# Altium PCB jetson-orin-baseboard.PcbDoc (part 2 of 4) (continued)
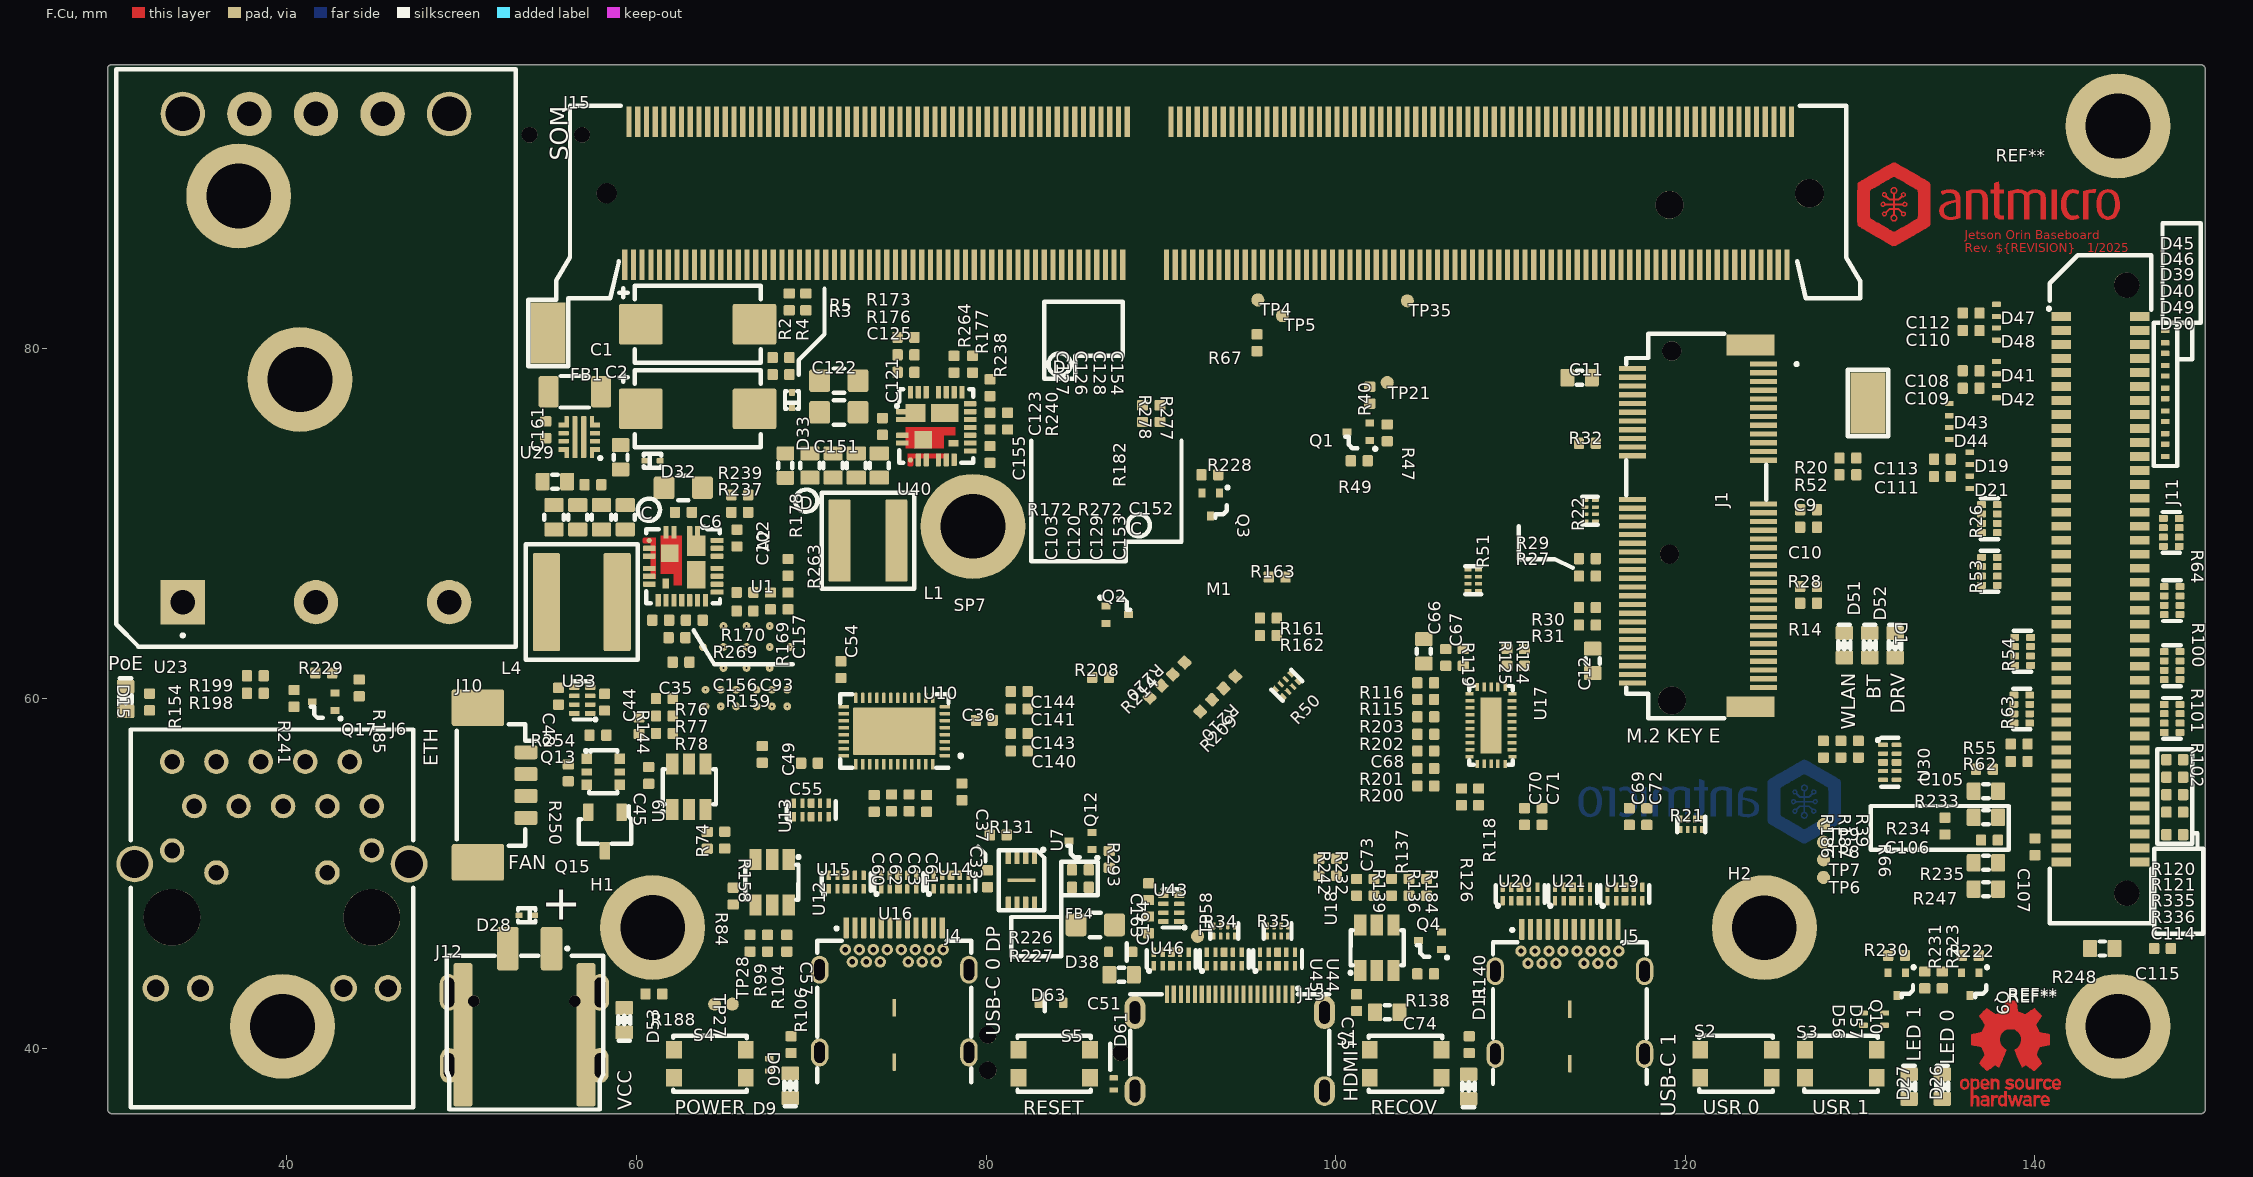
[diagram p0: F.Cu view]
## Footprints (in the part's own frame and the unit in brackets; to place one, negate y for a bottom-side part, rotate by r counter-clockwise, add the part's x,y. Pads: shape width x height; smd on the part's side, far side on the other; paste and mask are expansions set on the pad) (continued)
  round 1.45 hole 1.45 paste-2539.97 mask+0: Un1(-17.4,1.499) Un2(17.399,1.499)
  silkscreen extent -19.1,-3 19.1,2.9, body extent -19,-2.99 19,3, height 5.54
Conv_Murata_ULS-60W [mm]
  rect 2.54x2.54 hole 1.4 paste-2539.97 mask+0: 1(0,0)
  round 2.54 hole 1.4 paste-2539.97 mask+0: 2(0,-7.62) 3(0,-15.24) 5(27.94,-11.43) 6(27.94,-7.62) 7(27.94,-3.81)
  round 2.54 hole 1.956 paste-2539.97 mask+0: 4(27.94,-15.24) 8(27.94,0)
  silkscreen extent -2.53,-19.05 30.49,3.81
D_SOD-123F [mm]
  rrect25% 1.2x1.2 smd mask+0: 1(1.401,0) 2(-1.398,0)
  silkscreen extent 0.65,-0.6 0.65,0.6
DFN3538 [mm]
  rrect25% 0.48x1.4 smd mask+0: 1(1.27,-1.85) 2(-1.27,-1.85) 3(1.27,1.85) 4(-1.27,1.85)
  silkscreen extent -1.8,-2.45 1.8,2.05
DFN-6-1EP_2x2mm_P0.65mm_EP1x1.6mm [mm]
  rect 0.65x0.35 smd mask+0: 1(1.051,-0.652) 2(1.051,0) 3(1.051,0.65) 4(-1.05,0.65) 5(-1.05,0) 6(-1.05,-0.652)
  rect 1x1.6 smd paste-1.6 mask+0: 7(0,0)
  rect 0.82x0.63 on Bottom Paste mask-0.82: Un1(0,0.4) Un2(0,-0.402)
  silkscreen extent -1.07,-1.1 1.38,1.11
FB_0805_2012Metric#1 [mm]
  rrect25% 1.2x1.3 smd mask+0: 1(1.1,0) 2(-1.1,0)
  silkscreen extent -0.3,-0.7 0.32,0.7
FB_0805_2012Metric#2 [mm]
  rrect25% 1.2x1.3 smd mask+0: 1(-1.1,0) 2(1.1,0)
  silkscreen extent -0.32,-0.7 0.3,0.7
FB_1206_3216Metric [mm]
  rrect25% 1.15x1.8 smd mask+0: 1(-1.5,-0.001) 2(1.5,-0.001)
  silkscreen extent -0.8,-0.9 0.8,0.9
HDMI-Mini-C_Receptacle_WE_685119136923 [mm]
  rect 0.23x1 smd mask+0: 1(3.6,3.4) 2(3.2,3.4) 3(2.798,3.4) 4(2.398,3.4) 5(1.999,3.4) 6(1.6,3.4) 7(1.199,3.4) 8(0.8,3.4) 9(0.4,3.4) 10(0,3.4) 11(-0.402,3.4) 12(-0.802,3.4) 13(-1.2,3.4) 14(-1.601,3.4) 15(-2,3.4) 16(-2.4,3.4) 17(-2.801,3.4) 18(-3.202,3.4) 19(-3.601,3.4)
  rrect100% 1.2x1.7 hole 1.3 slot 0.6 at 0 deg paste-2539.97 mask+0: SH(-5.425,-2.15) SH(5.424,-2.15)
  rrect100% 1.2x1.9 hole 1.3 slot 0.6 at 0 deg paste-2539.97 mask+0: SH(-5.425,2.35) SH(5.424,2.35)
  silkscreen extent -5.7,-1.2 5.7,3.78
IC_TPS65987DDHRSHR [mm]
  rrect9% 0.8x0.65 smd paste-0.8 mask-0.8: 1(3.351,-2.4) 3(3.351,-1.601) 11(3.351,1.6) 13(3.351,2.398)
  rrect25% 0.7x0.2 smd mask+0: 5(3.351,-1) 6(3.351,-0.6) 7(3.351,-0.202) 8(3.351,0.2) 9(3.351,0.598) 10(3.351,0.998) 29(-3.35,2.6) 30(-3.35,2.2) 31(-3.35,1.8) 32(-3.35,1.398) 33(-3.35,0.998) 34(-3.35,0.598) 35(-3.35,0.2) 36(-3.35,-0.202) 37(-3.35,-0.6) 38(-3.35,-1) 39(-3.35,-1.401) 40(-3.35,-1.801) 41(-3.35,-2.202) 42(-3.35,-2.601)
  rrect25% 0.2x0.7 smd mask+0: 15(2.601,3.35) 16(2.202,3.35) 17(1.801,3.35) 18(1.401,3.35) 19(1,3.35) 20(0.6,3.35) 21(0.202,3.35) 22(-0.2,3.35) 23(-0.598,3.35) 24(-0.998,3.35) 25(-1.398,3.35) 26(-1.8,3.35) 27(-2.2,3.35) 28(-2.6,3.35) 43(-2.6,-3.351) 44(-2.2,-3.351) 45(-1.8,-3.351) 46(-1.398,-3.351) 47(-0.998,-3.351) 48(-0.598,-3.351) 49(-0.2,-3.351) 50(0.202,-3.351) 51(0.6,-3.351) 52(1,-3.351) 53(1.401,-3.351) 54(1.801,-3.351) 55(2.202,-3.351) 56(2.601,-3.351)
  round 0.45 hole 0.1 paste-2539.97 mask-0.45: 57(1.401,-2.327) 57(1.401,-1.45) 57(1.401,-0.577) 57(2.351,-2.327) 57(2.351,-1.45) 57(2.351,-0.576) 58(1.401,0.598) 58(1.401,1.475) 58(1.401,2.349) 58(2.351,0.598) 58(2.351,1.475) 58(2.351,2.35) 59(-2.248,-1.327) 59(-2.248,-0.001) 59(-2.248,1.322) 59(-1.05,0) 59(-1.048,-2.504) 59(-1.048,-1.327) 59(-1.048,1.322) 59(-1.048,2.496) 59(0.15,-1.321) 59(0.15,0) 59(0.152,1.322)
  rrect6% 1.75x2.6 smd paste-2.6 mask+0.05: 57(1.875,-1.45)
  rrect6% 1.75x2.55 smd paste-2.55 mask+0.05: 58(1.875,1.475)
  rrect3% 3.4x5.5 smd paste-5.5 mask+0.05: 59(-1.05,0)
  silkscreen extent -3.5,-3.5 4.37,3.5, body extent -3.5,-3.5 3.5,3.5, height 1
L_Bourns-SRP5030CA [mm]
  rrect10% 1.25x4.7 smd mask+0: 1(-1.625,0) 2(1.625,0)
  silkscreen extent -2.65,-2.75 2.65,2.75
L_Bourns-SRP6050CA [mm]
  rrect10% 1.55x5.6 smd mask+0: 1(-2.025,0) 2(2.025,0)
  silkscreen extent -3.2,-3.3 3.2,3.3
LED_0603_1608Metric_G#1 [mm]
  rrect20% 0.8x1 smd mask+0: 1(-0.7,0) 2(0.7,0)
  silkscreen extent -1.18,-0.35 0.24,0.35
LED_0603_1608Metric_G#2 [mm]
  rrect20% 0.8x1 smd mask+0: 1(0.7,0) 2(-0.7,0)
  silkscreen extent -0.24,-0.35 1.18,0.35
Mech_M2_2242_H2.5mm [mm]
Mech_M2_2280_H2.5mm [mm]
MLP44-24L_4x4x0.75mm [mm]
  rrect25% 0.725x0.3 smd mask+0: 1(-1.94,0.825) 2(-1.94,0.375) 3(-1.94,-0.525) 4(-1.94,-0.975) 11(1.94,-1.425) 12(1.94,-0.975) 13(1.94,-0.525) 14(1.94,-0.075) 15(1.94,0.375) 16(1.94,0.825) 17(1.94,1.275)
  round 0.3 smd mask+0: 5(-1.475,-1.94)
  rrect25% 0.3x0.725 smd mask+0: 6(-1.025,-1.94) 7(-0.575,-1.94) 8(0.125,-1.94) 9(0.575,-1.94) 10(1.025,-1.935) 18(1.475,1.94) 19(1.025,1.94) 20(0.575,1.94) 21(0.125,1.94) 22(-0.575,1.94) 23(-1.025,1.94) 24(-1.475,1.94)
  rect 1.575x1.05 smd mask+0: 25(0.49,0.75)
  rect 1.15x1.05 smd mask+0: 26(-1.175,0.75)
  rect 1x1 smd mask+0: 27(-0.75,-0.775)
  rect 0.58x0.38 smd mask+0: 28(0.985,-0.99)
  F.Cu region: 1.075,-0.53 0.425,-0.53 0.425,-1.275 -1.75,-1.275 -1.75,-0.075 1.075,-0.075
  F.Cu region: 0.725,-1.853 -1.625,-1.853 -1.625,-1.578 0.725,-1.578
  F.Cu region: -1.371,-1.583 -1.347,-1.599 -1.331,-1.624 -1.325,-1.653 -1.325,-2.228 -1.331,-2.256 -1.347,-2.281 -1.371,-2.297 -1.4,-2.303 -1.55,-2.303 -1.579,-2.297 -1.603,-2.281 -1.619,-2.256 -1.625,-2.228 -1.625,-1.653 -1.619,-1.624 -1.603,-1.599 -1.579,-1.583 -1.55,-1.578 -1.4,-1.578
  silkscreen extent -2.3,-2.11 2.11,2.11
MODULE_JETSON-ORIN-NX-NANO [mm]
  body extent -34.8,-22.5 34.8,22.5, height 12.88
MS621FE-FL11E [mm]
  rect 0.75x1.8 smd mask+0: 1(0.75,-4.05) 2(-0.75,-4.05)
  silkscreen extent -3.59,-2.15 3.59,4.83
Oscillator_SMD_ECS_2520MV_2.5x2mm [mm]
  rrect25% 0.8x0.9 smd mask+0: 1(0.725,-0.927) 2(0.725,0.925) 3(-0.723,0.925) 4(-0.723,-0.927)
  silkscreen extent -1.11,-1.56 1.16,1.36
OSHW-Logo_5.7x6mm_Copper [mm]
  F.Cu region: 1.799,-1.458 1.842,-1.471 1.87,-1.487 1.879,-1.501 1.877,-1.516 1.86,-1.541 1.847,-1.558 1.818,-1.59 1.797,-1.603 1.779,-1.602 1.726,-1.589 1.686,-1.589 1.654,-1.605 1.643,-1.614 1.609,-1.646 1.609,-2.062 1.471,-2.062 1.471,-1.458 1.54,-1.458 1.581,-1.46 1.603,-1.466 1.609,-1.477 1.612,-1.489 1.625,-1.488 1.644,-1.479 1.682,-1.463 1.712,-1.453 1.752,-1.451
  F.Cu region: 1.683,-2.411 1.711,-2.425 1.74,-2.448 1.698,-2.5 1.673,-2.532 1.656,-2.547 1.639,-2.549 1.614,-2.542 1.602,-2.537 1.554,-2.531 1.51,-2.545 1.478,-2.575 1.472,-2.585 1.467,-2.611 1.462,-2.658 1.459,-2.724 1.458,-2.805 1.458,-2.817 1.458,-3.017 1.32,-3.017 1.32,-2.401 1.389,-2.401 1.429,-2.402 1.45,-2.407 1.457,-2.417 1.458,-2.427 1.458,-2.453 1.491,-2.427 1.529,-2.409 1.58,-2.401 1.635,-2.401
  F.Cu region: -0.994,-2.403 -0.975,-2.408 -0.969,-2.421 -0.969,-2.426 -0.968,-2.442 -0.96,-2.444 -0.94,-2.433 -0.928,-2.426 -0.89,-2.411 -0.845,-2.403 -0.797,-2.402 -0.752,-2.408 -0.716,-2.419 -0.693,-2.436 -0.688,-2.456 -0.691,-2.461 -0.708,-2.484 -0.733,-2.512 -0.738,-2.517 -0.763,-2.538 -0.784,-2.544 -0.814,-2.54 -0.826,-2.536 -0.863,-2.529 -0.889,-2.532 -0.911,-2.544 -0.932,-2.56 -0.947,-2.58 -0.957,-2.608 -0.964,-2.648 -0.967,-2.703 -0.969,-2.778 -0.969,-2.823 -0.969,-3.017 -1.094,-3.017 -1.094,-2.401 -1.032,-2.401
  F.Cu region: 1.358,-2.062 1.288,-2.062 1.247,-2.06 1.225,-2.054 1.219,-2.043 1.216,-2.033 1.201,-2.035 1.172,-2.049 1.106,-2.071 1.035,-2.069 0.968,-2.046 0.936,-2.027 0.911,-2.007 0.893,-1.981 0.881,-1.947 0.873,-1.901 0.869,-1.839 0.867,-1.757 0.867,-1.694 0.867,-1.458 0.993,-1.458 0.993,-1.654 0.994,-1.746 0.998,-1.816 1.007,-1.867 1.021,-1.901 1.042,-1.922 1.071,-1.933 1.106,-1.935 1.143,-1.932 1.171,-1.921 1.192,-1.9 1.206,-1.865 1.214,-1.813 1.218,-1.742 1.219,-1.654 1.219,-1.458 1.358,-1.458
  F.Cu region: -0.755,-1.469 -0.723,-1.483 -0.693,-1.505 -0.67,-1.53 -0.653,-1.562 -0.642,-1.604 -0.634,-1.66 -0.631,-1.734 -0.63,-1.829 -0.629,-1.838 -0.629,-2.062 -0.768,-2.062 -0.768,-1.856 -0.768,-1.78 -0.768,-1.724 -0.77,-1.686 -0.774,-1.66 -0.78,-1.643 -0.788,-1.63 -0.801,-1.617 -0.844,-1.589 -0.89,-1.584 -0.935,-1.602 -0.95,-1.615 -0.962,-1.627 -0.97,-1.64 -0.975,-1.658 -0.979,-1.685 -0.981,-1.726 -0.981,-1.783 -0.981,-1.854 -0.981,-2.062 -1.12,-2.062 -1.12,-1.458 -1.05,-1.458 -1.009,-1.46 -0.988,-1.466 -0.981,-1.477 -0.978,-1.488 -0.966,-1.487 -0.94,-1.475 -0.883,-1.457 -0.818,-1.455
  F.Cu region: 2.217,-1.463 2.29,-1.494 2.313,-1.509 2.342,-1.533 2.36,-1.551 2.363,-1.557 2.354,-1.57 2.331,-1.592 2.313,-1.608 2.262,-1.648 2.222,-1.615 2.191,-1.593 2.161,-1.586 2.127,-1.587 2.072,-1.601 2.034,-1.629 2.011,-1.675 2.001,-1.741 2.002,-1.814 2.016,-1.868 2.044,-1.905 2.063,-1.918 2.113,-1.933 2.167,-1.933 2.214,-1.918 2.225,-1.911 2.253,-1.892 2.275,-1.889 2.298,-1.903 2.324,-1.928 2.365,-1.97 2.32,-2.008 2.249,-2.05 2.17,-2.071 2.087,-2.07 2.032,-2.056 1.968,-2.022 1.918,-1.968 1.894,-1.93 1.876,-1.875 1.866,-1.806 1.866,-1.731 1.875,-1.659 1.894,-1.599 1.897,-1.592 1.939,-1.532 1.997,-1.488 2.066,-1.461 2.141,-1.453
  F.Cu region: 0.61,-1.466 0.674,-1.5 0.724,-1.555 0.747,-1.599 0.757,-1.639 0.764,-1.695 0.766,-1.759 0.765,-1.824 0.76,-1.881 0.754,-1.911 0.734,-1.953 0.698,-1.997 0.655,-2.036 0.613,-2.061 0.612,-2.061 0.559,-2.072 0.497,-2.072 0.437,-2.062 0.415,-2.054 0.356,-2.021 0.313,-1.977 0.286,-1.919 0.27,-1.843 0.267,-1.803 0.267,-1.753 0.268,-1.697 0.285,-1.61 0.319,-1.542 0.369,-1.493 0.435,-1.463 0.449,-1.46 0.535,-1.452 hole: 0.521,-1.585 0.475,-1.595 0.439,-1.621 0.42,-1.641 0.409,-1.662 0.404,-1.69 0.402,-1.732 0.402,-1.753 0.406,-1.826 0.419,-1.882 0.44,-1.917 0.455,-1.928 0.493,-1.935 0.538,-1.933 0.577,-1.922 0.587,-1.917 0.614,-1.884 0.632,-1.834 0.64,-1.773 0.636,-1.708 0.628,-1.669 0.604,-1.623 0.566,-1.595
  F.Cu region: 0.281,-2.404 0.331,-2.407 0.461,-2.797 0.481,-2.728 0.493,-2.685 0.51,-2.628 0.527,-2.564 0.536,-2.53 0.571,-2.401 0.714,-2.401 0.671,-2.536 0.65,-2.603 0.625,-2.683 0.598,-2.767 0.574,-2.841 0.52,-3.011 0.462,-3.015 0.404,-3.019 0.372,-2.914 0.353,-2.849 0.331,-2.778 0.313,-2.715 0.312,-2.712 0.298,-2.669 0.286,-2.64 0.277,-2.629 0.276,-2.631 0.269,-2.648 0.258,-2.684 0.242,-2.736 0.223,-2.798 0.213,-2.832 0.159,-3.017 0.043,-3.017 -0.05,-2.725 -0.076,-2.643 -0.099,-2.568 -0.12,-2.505 -0.135,-2.456 -0.145,-2.425 -0.148,-2.416 -0.146,-2.407 -0.127,-2.403 -0.088,-2.403 -0.082,-2.404 -0.008,-2.407 0.039,-2.584 0.057,-2.648 0.073,-2.704 0.085,-2.748 0.093,-2.774 0.095,-2.778 0.101,-2.773 0.113,-2.748 0.129,-2.705 0.15,-2.649 0.167,-2.599 0.231,-2.4
  F.Cu region: -2.539,-1.465 -2.473,-1.494 -2.423,-1.542 -2.389,-1.61 -2.37,-1.698 -2.369,-1.712 -2.368,-1.808 -2.381,-1.893 -2.409,-1.962 -2.423,-1.984 -2.474,-2.031 -2.538,-2.061 -2.61,-2.073 -2.684,-2.067 -2.74,-2.047 -2.788,-2.014 -2.827,-1.971 -2.828,-1.97 -2.844,-1.943 -2.854,-1.916 -2.86,-1.882 -2.864,-1.834 -2.865,-1.794 -2.866,-1.759 -2.867,-1.716 -2.864,-1.658 -2.857,-1.614 -2.843,-1.579 -2.822,-1.548 -2.815,-1.539 -2.766,-1.494 -2.715,-1.467 -2.651,-1.456 -2.62,-1.455 hole: -2.638,-1.587 -2.678,-1.602 -2.713,-1.634 -2.734,-1.686 -2.74,-1.759 -2.739,-1.794 -2.735,-1.842 -2.727,-1.872 -2.713,-1.894 -2.699,-1.906 -2.652,-1.933 -2.603,-1.936 -2.557,-1.917 -2.534,-1.896 -2.518,-1.874 -2.508,-1.854 -2.504,-1.827 -2.503,-1.787 -2.505,-1.75 -2.508,-1.697 -2.512,-1.663 -2.52,-1.641 -2.534,-1.624 -2.544,-1.614 -2.589,-1.589
  F.Cu region: -0.202,-3.017 -0.271,-3.017 -0.311,-3.016 -0.332,-3.011 -0.339,-3.001 -0.34,-2.994 -0.341,-2.979 -0.349,-2.976 -0.37,-2.985 -0.387,-2.994 -0.449,-3.013 -0.518,-3.014 -0.573,-3 -0.625,-2.964 -0.664,-2.912 -0.686,-2.851 -0.686,-2.848 -0.69,-2.81 -0.691,-2.756 -0.691,-2.716 -0.691,-2.695 -0.69,-2.662 -0.684,-2.58 -0.671,-2.519 -0.65,-2.474 -0.618,-2.44 -0.588,-2.421 -0.545,-2.407 -0.492,-2.402 -0.437,-2.406 -0.39,-2.418 -0.366,-2.432 -0.34,-2.455 -0.34,-2.162 -0.202,-2.162 hole: -0.464,-2.532 -0.505,-2.544 -0.535,-2.572 -0.538,-2.578 -0.547,-2.612 -0.553,-2.66 -0.554,-2.716 -0.551,-2.77 -0.543,-2.814 -0.534,-2.839 -0.496,-2.874 -0.452,-2.886 -0.407,-2.876 -0.368,-2.846 -0.354,-2.826 -0.345,-2.803 -0.341,-2.768 -0.34,-2.715 -0.342,-2.664 -0.346,-2.618 -0.353,-2.588 -0.354,-2.585 -0.381,-2.552 -0.42,-2.535
  F.Cu region: 2.677,-1.456 2.71,-1.464 2.771,-1.492 2.824,-1.536 2.861,-1.589 2.866,-1.6 2.873,-1.631 2.877,-1.677 2.879,-1.723 2.879,-1.81 2.621,-1.81 2.569,-1.812 2.535,-1.817 2.518,-1.825 2.514,-1.839 2.52,-1.86 2.532,-1.884 2.566,-1.924 2.612,-1.944 2.668,-1.943 2.733,-1.922 2.788,-1.895 2.834,-1.931 2.88,-1.967 2.837,-2.007 2.779,-2.045 2.708,-2.068 2.632,-2.074 2.558,-2.063 2.546,-2.059 2.481,-2.025 2.433,-1.974 2.4,-1.906 2.382,-1.818 2.382,-1.816 2.38,-1.719 2.387,-1.685 2.396,-1.635 2.428,-1.564 2.474,-1.508 2.532,-1.471 2.601,-1.452 hole: 2.657,-1.578 2.616,-1.579 2.574,-1.598 2.539,-1.628 2.517,-1.666 2.514,-1.685 2.526,-1.69 2.558,-1.694 2.605,-1.697 2.69,-1.697 2.725,-1.695 2.743,-1.692 2.749,-1.685 2.748,-1.673 2.746,-1.669 2.724,-1.627 2.689,-1.593
  F.Cu region: 0.014,-1.456 0.061,-1.465 0.111,-1.484 0.116,-1.486 0.153,-1.506 0.179,-1.524 0.188,-1.536 0.18,-1.555 0.16,-1.583 0.152,-1.594 0.116,-1.635 0.07,-1.608 0.027,-1.59 -0.023,-1.581 -0.072,-1.58 -0.109,-1.589 -0.118,-1.595 -0.135,-1.621 -0.137,-1.65 -0.124,-1.674 -0.117,-1.678 -0.094,-1.684 -0.054,-1.69 -0.005,-1.697 0.004,-1.698 0.082,-1.711 0.14,-1.734 0.178,-1.769 0.199,-1.818 0.205,-1.877 0.196,-1.945 0.167,-1.998 0.117,-2.036 0.046,-2.061 -0.032,-2.07 -0.096,-2.07 -0.147,-2.061 -0.183,-2.049 -0.227,-2.028 -0.269,-2.004 -0.283,-1.993 -0.321,-1.963 -0.276,-1.917 -0.23,-1.871 -0.178,-1.905 -0.127,-1.93 -0.071,-1.944 -0.018,-1.945 0.028,-1.935 0.06,-1.913 0.07,-1.894 0.068,-1.865 0.043,-1.842 -0.007,-1.826 -0.061,-1.819 -0.145,-1.805 -0.207,-1.779 -0.249,-1.74 -0.271,-1.687 -0.274,-1.625 -0.259,-1.559 -0.225,-1.51 -0.172,-1.476 -0.099,-1.458 -0.046,-1.454
  F.Cu region: 2.032,-2.404 2.092,-2.42 2.143,-2.452 2.167,-2.476 2.207,-2.533 2.23,-2.599 2.238,-2.681 2.238,-2.687 2.238,-2.753 1.858,-2.753 1.866,-2.788 1.88,-2.819 1.906,-2.852 1.911,-2.857 1.957,-2.885 2.01,-2.89 2.07,-2.871 2.081,-2.866 2.112,-2.851 2.133,-2.843 2.137,-2.842 2.149,-2.85 2.174,-2.869 2.186,-2.879 2.212,-2.903 2.22,-2.919 2.215,-2.933 2.211,-2.937 2.19,-2.954 2.155,-2.975 2.131,-2.988 2.062,-3.009 1.985,-3.016 1.912,-3.008 1.892,-3.002 1.829,-2.968 1.782,-2.917 1.752,-2.846 1.737,-2.756 1.735,-2.709 1.74,-2.641 1.742,-2.61 1.764,-2.53 1.8,-2.471 1.852,-2.43 1.919,-2.408 1.956,-2.403 hole: 1.99,-2.524 1.942,-2.534 1.9,-2.561 1.87,-2.599 1.86,-2.641 1.872,-2.646 1.903,-2.65 1.949,-2.652 1.98,-2.653 2.035,-2.652 2.071,-2.65 2.09,-2.646 2.098,-2.639 2.099,-2.628 2.089,-2.594 2.061,-2.56 2.026,-2.535
  F.Cu region: -1.357,-1.472 -1.345,-1.478 -1.301,-1.51 -1.26,-1.556 -1.23,-1.607 -1.221,-1.631 -1.213,-1.673 -1.208,-1.723 -1.208,-1.744 -1.208,-1.81 -1.588,-1.81 -1.579,-1.845 -1.56,-1.886 -1.525,-1.921 -1.483,-1.944 -1.457,-1.949 -1.421,-1.943 -1.379,-1.928 -1.364,-1.922 -1.311,-1.895 -1.265,-1.93 -1.239,-1.953 -1.225,-1.973 -1.224,-1.979 -1.236,-1.992 -1.264,-2.014 -1.289,-2.03 -1.356,-2.059 -1.432,-2.073 -1.506,-2.069 -1.566,-2.051 -1.627,-2.012 -1.671,-1.961 -1.698,-1.895 -1.711,-1.811 -1.712,-1.772 -1.708,-1.684 -1.707,-1.682 -1.693,-1.615 -1.667,-1.56 -1.634,-1.52 -1.575,-1.477 -1.505,-1.455 -1.43,-1.453 hole: -1.464,-1.579 -1.512,-1.59 -1.552,-1.622 -1.578,-1.667 -1.578,-1.669 -1.581,-1.682 -1.578,-1.69 -1.563,-1.695 -1.534,-1.697 -1.466,-1.697 -1.409,-1.696 -1.373,-1.694 -1.353,-1.689 -1.346,-1.681 -1.346,-1.678 -1.354,-1.658 -1.374,-1.629 -1.382,-1.619 -1.414,-1.591 -1.446,-1.58
  F.Cu region: 1.038,-2.405 1.091,-2.418 1.106,-2.425 1.136,-2.442 1.159,-2.463 1.176,-2.488 1.187,-2.524 1.195,-2.571 1.2,-2.635 1.203,-2.719 1.204,-2.775 1.209,-3.017 1.138,-3.017 1.096,-3.016 1.074,-3.009 1.068,-2.999 1.065,-2.988 1.052,-2.99 1.034,-2.999 0.988,-3.013 0.93,-3.016 0.868,-3.01 0.813,-2.995 0.808,-2.993 0.758,-2.958 0.725,-2.909 0.71,-2.852 0.711,-2.831 0.713,-2.792 0.736,-2.735 0.767,-2.696 0.786,-2.679 0.804,-2.668 0.828,-2.662 0.863,-2.658 0.916,-2.655 0.937,-2.655 1.068,-2.65 1.068,-2.611 1.063,-2.569 1.045,-2.544 1.008,-2.528 1.007,-2.527 0.954,-2.521 0.902,-2.529 0.864,-2.549 0.849,-2.559 0.832,-2.558 0.807,-2.543 0.792,-2.533 0.763,-2.512 0.744,-2.495 0.742,-2.491 0.754,-2.467 0.789,-2.438 0.804,-2.428 0.848,-2.411 0.908,-2.402 0.974,-2.4 hole: 1.068,-2.753 1.007,-2.753 0.936,-2.757 0.886,-2.768 0.854,-2.788 0.847,-2.797 0.835,-2.831 0.846,-2.859 0.878,-2.879 0.93,-2.889 0.958,-2.891 1.005,-2.887 1.036,-2.873 1.043,-2.866 1.064,-2.83 1.068,-2.797
  F.Cu region: -1.385,-2.406 -1.326,-2.422 -1.281,-2.45 -1.249,-2.488 -1.239,-2.504 -1.232,-2.521 -1.226,-2.542 -1.223,-2.572 -1.221,-2.615 -1.22,-2.674 -1.22,-2.753 -1.22,-2.774 -1.22,-3.017 -1.281,-3.017 -1.319,-3.015 -1.348,-3.008 -1.355,-3.004 -1.374,-2.996 -1.394,-3.004 -1.427,-3.013 -1.474,-3.016 -1.527,-3.015 -1.576,-3.008 -1.604,-3 -1.658,-2.965 -1.692,-2.916 -1.708,-2.851 -1.708,-2.85 -1.706,-2.821 -1.704,-2.779 -1.681,-2.723 -1.637,-2.681 -1.631,-2.677 -1.605,-2.665 -1.573,-2.657 -1.528,-2.654 -1.475,-2.653 -1.359,-2.653 -1.359,-2.604 -1.363,-2.566 -1.376,-2.541 -1.378,-2.539 -1.406,-2.528 -1.448,-2.524 -1.495,-2.526 -1.536,-2.534 -1.56,-2.546 -1.574,-2.556 -1.588,-2.558 -1.607,-2.55 -1.636,-2.53 -1.68,-2.497 -1.684,-2.493 -1.682,-2.482 -1.665,-2.462 -1.639,-2.441 -1.61,-2.423 -1.601,-2.418 -1.568,-2.41 -1.519,-2.404 -1.465,-2.401 -1.463,-2.401 hole: -1.359,-2.753 -1.428,-2.753 -1.494,-2.758 -1.544,-2.773 -1.575,-2.795 -1.585,-2.821 -1.574,-2.854 -1.557,-2.872 -1.522,-2.886 -1.476,-2.891 -1.429,-2.889 -1.392,-2.878 -1.382,-2.871 -1.363,-2.838 -1.359,-2.802
  F.Cu region: -1.909,-1.469 -1.883,-1.482 -1.85,-1.505 -1.826,-1.529 -1.81,-1.561 -1.8,-1.603 -1.794,-1.66 -1.792,-1.736 -1.792,-1.768 -1.793,-1.84 -1.794,-1.891 -1.797,-1.927 -1.802,-1.951 -1.81,-1.969 -1.818,-1.981 -1.871,-2.033 -1.932,-2.065 -1.999,-2.074 -2.066,-2.06 -2.087,-2.051 -2.138,-2.024 -2.138,-2.44 -2.101,-2.42 -2.052,-2.406 -1.992,-2.402 -1.932,-2.409 -1.887,-2.425 -1.849,-2.455 -1.817,-2.498 -1.815,-2.502 -1.804,-2.523 -1.797,-2.544 -1.792,-2.569 -1.789,-2.603 -1.787,-2.65 -1.786,-2.714 -1.786,-2.787 -1.786,-3.017 -1.924,-3.017 -1.924,-2.592 -1.963,-2.559 -2.003,-2.533 -2.041,-2.529 -2.08,-2.541 -2.1,-2.553 -2.115,-2.57 -2.126,-2.595 -2.133,-2.633 -2.138,-2.687 -2.14,-2.761 -2.141,-2.81 -2.144,-3.011 -2.21,-3.015 -2.276,-3.019 -2.276,-1.77 -2.276,-1.458 -2.207,-1.458 -2.166,-1.46 -2.144,-1.466 -2.138,-1.477 -2.135,-1.488 -2.123,-1.487 -2.097,-1.475 -2.038,-1.456 -1.972,-1.454 hole: -2.052,-1.585 -2.081,-1.592 -2.109,-1.616 -2.128,-1.663 -2.137,-1.733 -2.138,-1.77 -2.135,-1.84 -2.123,-1.888 -2.101,-1.918 -2.066,-1.933 -2.031,-1.936 -1.992,-1.933 -1.966,-1.919 -1.949,-1.901 -1.936,-1.882 -1.929,-1.861 -1.925,-1.831 -1.925,-1.787 -1.926,-1.749 -1.929,-1.693 -1.933,-1.656 -1.94,-1.633 -1.95,-1.617 -1.96,-1.608 -2.002,-1.588
  F.Cu region: 336 vertices and 0 holes, not listed, extent -2.24,-1.005 2.252,3.012
OSHW-Logo_5.7x6mm_Mask [mm]
PCM12SMTR [mm]
  rrect25% 0.7x1.5 smd mask+0: 1(2.25,-1.7) 2(-0.749,-1.7) 3(-2.248,-1.7)
  rrect25% 1x0.8 smd mask+0: S1(3.651,-0.915) S2(3.651,1.013) S3(-3.65,1.013) S4(-3.65,-0.915)
  round 0.9 hole 0.9 paste-2539.97 mask+0: Un1(1.502,0.049) Un2(-1.499,0.049)
  silkscreen extent -3.35,-2.53 3.35,1.35
QFN-16-1EP_4x4mm_P0.65mm [mm]
  rect 0.8x0.4 smd mask+0: 1(1.9,-0.975) 2(1.9,-0.325) 3(1.9,0.325) 4(1.9,0.975) 9(-1.9,0.975) 10(-1.9,0.325) 11(-1.9,-0.325) 12(-1.9,-0.975)
  rect 0.4x0.8 smd mask+0: 5(0.975,1.9) 6(0.325,1.9) 7(-0.325,1.9) 8(-0.975,1.9) 13(-0.975,-1.9) 14(-0.325,-1.9) 15(0.325,-1.9) 16(0.975,-1.9)
  rect 2.3x2.3 smd mask+0: 17(0,0)
  silkscreen extent -2.1,-2.1 2.4,2.1
R_0402_1005Metric#1 [mm]
  rrect25% 0.59x0.64 smd mask+0: 1(0.48,0) 2(-0.48,0)
R_0402_1005Metric#2 [mm]
  rrect25% 0.59x0.64 smd mask+0: 1(-0.48,0) 2(0.48,0)
R_0603_1608Metric#1 [mm]
  rrect20% 0.8x1 smd mask+0: 1(0.7,0) 2(-0.7,0)
  silkscreen extent -0.15,-0.4 0.15,0.4
R_0603_1608Metric#2 [mm]
  rrect20% 0.8x1 smd mask+0: 1(-0.7,0) 2(0.7,0)
  silkscreen extent -0.15,-0.4 0.15,0.4
R_Array_4x0201_Panasonic_EXB18V#1 [mm]
  rrect25% 0.2x0.4 smd mask+0: 1(-0.6,-0.298) 2(-0.202,-0.298) 3(0.2,-0.298) 4(0.598,-0.298) 5(0.598,0.3) 6(0.2,0.3) 7(-0.202,0.3) 8(-0.6,0.3)
  silkscreen extent -0.8,-0.45 0.8,0.45
R_Array_4x0201_Panasonic_EXB18V#2 [mm]
  rrect25% 0.2x0.4 smd mask+0: 1(0.6,0.298) 2(0.202,0.298) 3(-0.2,0.298) 4(-0.598,0.298) 5(-0.598,-0.3) 6(-0.2,-0.3) 7(0.202,-0.3) 8(0.6,-0.3)
  silkscreen extent -0.8,-0.45 0.8,0.45
R_Array_4x0402 [mm]
  rrect25% 0.4x0.5 smd mask+0: 1(-0.802,-0.45) 2(-0.272,-0.45) 3(0.27,-0.45) 4(0.8,-0.45) 5(0.8,0.452) 6(0.27,0.452) 7(-0.272,0.452) 8(-0.802,0.452)
  silkscreen extent -1.17,-0.5 1.17,0.5
RJ45_X-2337992-8_Horizontal [mil]
  round 55 hole 35 paste-99999 mask+0: 1(0,0) 2(49.96,-99.96) 3(99.96,0) 4(149.96,-99.96) 5(199.92,0) 6(249.96,-99.96) 7(299.92,0) 8(350,-99.96) 9(399.96,0) 10(449.96,-99.96) 11(0,-199.92) 12(99.96,-249.57) 13(350,-249.57) 14(449.96,-199.61)
  round 60 hole 40 paste-99999 mask+0: 15(-36.5,-510.16) 16(63.54,-510.16) 17(386.38,-510.16) 18(486.42,-510.16)
  round 82.68 hole 62.99 paste-99999 mask+0: 19(-84.09,-230.32)
  round 83 hole 63 paste-99999 mask+0: 20(533.98,-230.32)
  round 127.95 hole 127.95 paste-99999 mask+0: Un1(0,-350.39) Un2(449.96,-350.39)
  silkscreen extent -93,-778 543,73
SC-74-6_1.5x2.9mm_P0.95mm [mm]
  rrect15% 0.8x0.55 smd mask+0: 1(1.2,-0.95) 2(1.2,0) 3(1.2,0.95) 4(-1.2,0.95) 5(-1.2,0) 6(-1.2,-0.95)
  silkscreen extent 1.06,-1.51 1.16,-1.4
SOD-523#1 [mm]
  rrect25% 0.5x0.6 smd mask+0: 1(0.701,0) 2(-0.699,0)
  silkscreen extent 0.35,-0.5 0.35,0.5
SOD-523#2 [mm]
  rrect25% 0.5x0.6 smd mask+0: 1(-0.701,0) 2(0.699,0)
  silkscreen extent -0.35,-0.5 -0.35,0.5
SOD-923#1 [mm]
  rrect25% 0.4x0.325 smd mask+0: 1(0.438,0) 2(-0.436,0)
  silkscreen extent -0.5,-0.4 0.5,0.4
SOD-923#2 [mm]
  rrect25% 0.4x0.325 smd mask+0: 1(-0.438,0) 2(0.436,0)
  silkscreen extent -0.5,-0.4 0.5,0.4
SOIC-4_4.55x2.6mm_P1.27mm [mm]
  rrect15% 1.85x0.65 smd mask+0: 1(3.125,-0.635) 2(3.125,0.634) 3(-3.124,0.634) 4(-3.124,-0.635)
  silkscreen extent -2.3,-1.4 2.3,1.4
SOT-23-3#1 [mm]
  rrect15% 1x0.6 smd mask+0: 1(1.1,-0.951) 2(1.1,0.949) 3(-1.1,-0.001)
  silkscreen extent -0.7,-1.5 1.45,1.5
SOT-23-3#2 [mm]
  rrect15% 1x0.6 smd mask+0: 1(-1.1,0.951) 2(-1.1,-0.949) 3(1.1,0.001)
  silkscreen extent -1.45,-1.5 0.7,1.5
SOT-23-5 [mm]
  rect 1x0.55 smd mask+0: 1(1.351,-0.951) 2(1.351,0) 3(1.351,0.949) 4(-1.35,0.949) 5(-1.35,-0.951)
  silkscreen extent -0.8,-1.6 1.3,1.6
SOT-23-6 [mm]
  rrect15% 0.55x1 smd mask+0: 1(0.954,1.1) 2(0.003,1.1) 3(-0.947,1.1) 4(-0.947,-1.214) 5(0.003,-1.214) 6(0.954,-1.214)
  silkscreen extent -1.45,-0.76 1.45,0.64
SOT-363#1 [mm]
  rect 0.6x0.6 smd mask+0: 1(-0.948,0.752) 3(-0.948,-0.745) 4(0.951,-0.745) 6(0.951,0.752)
  rect 0.6x0.4 smd mask+0: 2(-0.948,0.002) 5(0.951,0.002)
  silkscreen extent -1.03,-1.22 0.8,1.25
SOT-363#2 [mm]
  rect 0.6x0.6 smd mask+0: 1(0.948,-0.752) 3(0.948,0.745) 4(-0.951,0.745) 6(-0.951,-0.752)
  rect 0.6x0.4 smd mask+0: 2(0.948,-0.002) 5(-0.951,-0.002)
  silkscreen extent -0.8,-1.25 1.03,1.22
SOT-523#1 [mm]
  rect 0.4x0.51 smd mask+0: 1(-0.5,-0.65) 2(0.498,-0.65) 3(0,0.652)
  silkscreen extent -1.02,-1.02 -0.28,0.75
SOT-523#2 [mm]
  rect 0.4x0.51 smd mask+0: 1(0.5,0.65) 2(-0.498,0.65) 3(0,-0.652)
  silkscreen extent 0.28,-0.75 1.02,1.02
Spacer_Drill3.7mm_H2.5mm_9774025151R#1 [mm]
  round 6 hole 3.7 paste-2539.97 mask+0: 1(0,0)
  round 0.62 on Top Paste mask-0.62: Un1(-1.7,1.7) Un2(-1.7,-1.7) Un3(1.7,1.7) Un4(1.7,-1.7)
Spacer_Drill3.7mm_H2.5mm_9774025151R#2 [mm]
  round 6 hole 3.7 paste-2539.97 mask+0: 1(0,0)
  round 0.62 on Bottom Paste mask-0.62: Un1(1.7,1.7) Un2(1.7,-1.7) Un3(-1.7,1.7) Un4(-1.7,-1.7)
Spacer_Drill3.7mm_H6.5mm_9774065151R#1 [mm]
  round 6 hole 3.7 paste-2539.97 mask+0: 1(0,0)
  round 0.62 on Top Paste mask-0.62: Un1(-1.7,1.7) Un2(-1.7,-1.7) Un3(1.7,1.7) Un4(1.7,-1.7)
Spacer_Drill3.7mm_H6.5mm_9774065151R#2 [mm]
  round 6 hole 3.7 paste-2539.97 mask+0: 1(0,0)
  round 0.62 on Bottom Paste mask-0.62: Un1(1.7,1.7) Un2(1.7,-1.7) Un3(-1.7,1.7) Un4(-1.7,-1.7)
SW_KMR211NGLFS_SMD [mm]
  rect 0.9x1 smd mask+0: 1(-2.048,0.8) 2(2.05,0.8) 3(-2.048,-0.802) 4(2.05,-0.802)
  silkscreen extent -2.1,-1.6 2.1,1.6
Tag-Connect_TC2050-IDC-NL_2x5_P1.27mm [mil]
  round 31 smd paste-31 mask+0: 1(100,24.96) 2(50,24.96) 3(0,24.96) 4(-49.96,24.96) 5(-99.96,24.96) 6(-99.96,-25) 7(-49.96,-25) 8(0,-25) 9(50,-25) 10(100,-25)
  round 39 hole 39 paste-99999 mask+0: Un1(150,0) Un2(-149.96,39.96) Un3(-149.96,-40)
  silkscreen extent -201,-81 200,81

## Text inside footprints (layer, text, board x,y; h text height)
R207: B.Fab "License: Apache-2.0" at 89.037,63.268 h0.7 r135; B.Fab "Author: Antmicro" at 88.248,62.479 h0.7 r135
R208: F.Fab "License: Apache-2.0" at 87.35,65.736 h0.7; F.Fab "Author: Antmicro" at 87.35,64.852 h0.7
R209: F.Fab "Author: Antmicro" at 95.125,55.499 h0.7 r45; F.Fab "License: Apache-2.0" at 95.915,54.709 h0.7 r45
R210: F.Fab "Author: Antmicro" at 91.385,65.011 h0.7 r225; F.Fab "License: Apache-2.0" at 90.595,65.801 h0.7 r225
R211: B.Fab "Author: Antmicro" at 97.586,67.3 h0.7 r90; B.Fab "License: Apache-2.0" at 98.702,67.3 h0.7 r90
R212: B.Fab "License: Apache-2.0" at 96.478,60.873 h0.7 r45; B.Fab "Author: Antmicro" at 95.689,61.662 h0.7 r45
R213: B.Fab "Author: Antmicro" at 86.611,65.838 h0.7 r225; B.Fab "License: Apache-2.0" at 85.822,66.627 h0.7 r225
R214: F.Fab "Author: Antmicro" at 92.235,56.309 h0.7 r45; F.Fab "License: Apache-2.0" at 93.025,55.519 h0.7 r45
R215: B.Fab "Author: Antmicro" at 82.314,51.6 h0.7 r270; B.Fab "License: Apache-2.0" at 81.198,51.6 h0.7 r270
R216: B.Fab "License: Apache-2.0" at 82.198,51.6 h0.7 r270; B.Fab "Author: Antmicro" at 83.314,51.6 h0.7 r270
R217: B.Fab "License: Apache-2.0" at 93.102,59.2 h0.7 r90; B.Fab "Author: Antmicro" at 91.986,59.2 h0.7 r90
R218: B.Fab "Author: Antmicro" at 87.4,52.114 h0.7; B.Fab "License: Apache-2.0" at 87.4,50.998 h0.7
R219: B.Fab "Author: Antmicro" at 93.686,53.2 h0.7 r90; B.Fab "License: Apache-2.0" at 94.802,53.2 h0.7 r90
R220: F.Fab "License: Apache-2.0" at 87.695,66.601 h0.7 r225; F.Fab "Author: Antmicro" at 88.485,65.811 h0.7 r225
R221: B.Fab "License: Apache-2.0" at 96.378,58.473 h0.7 r45; B.Fab "Author: Antmicro" at 95.589,59.262 h0.7 r45
R222: F.Fab "Author: Antmicro" at 135.2,40.614 h0.7; F.Fab "License: Apache-2.0" at 135.2,39.498 h0.7
R223: F.Fab "Author: Antmicro" at 139.386,42.8 h0.7 r90; F.Fab "License: Apache-2.0" at 140.502,42.8 h0.7 r90
R224: B.Fab "Author: Antmicro" at 86.511,63.438 h0.7 r225; B.Fab "License: Apache-2.0" at 85.722,64.227 h0.7 r225
R225: B.Fab "License: Apache-2.0" at 85.498,65.75 h0.7 r270; B.Fab "Author: Antmicro" at 86.614,65.75 h0.7 r270
R226: F.Fab "License: Apache-2.0" at 84.3,44.398 h0.7; F.Fab "Author: Antmicro" at 84.3,45.514 h0.7
R227: F.Fab "Author: Antmicro" at 84.3,44.514 h0.7; F.Fab "License: Apache-2.0" at 84.3,43.398 h0.7
R228: F.Fab "Author: Antmicro" at 91.7,68.114 h0.7; F.Fab "License: Apache-2.0" at 91.7,66.998 h0.7
R229: F.Fab "Author: Antmicro" at 42.915,65.111 h0.7; F.Fab "License: Apache-2.0" at 42.915,65.995 h0.7
R230: F.Fab "License: Apache-2.0" at 130.985,39.498 h0.7; F.Fab "Author: Antmicro" at 130.985,40.614 h0.7
R231: F.Fab "Author: Antmicro" at 138.386,42.8 h0.7 r90; F.Fab "License: Apache-2.0" at 139.502,42.8 h0.7 r90
R232: F.Fab "License: Apache-2.0" at 94.248,51.45 h0.7 r270; F.Fab "Author: Antmicro" at 95.364,51.45 h0.7 r270
R233: F.Fab "License: Apache-2.0" at 135.8,48.167 h0.7; F.Fab "Author: Antmicro" at 135.8,49.283 h0.7
R234: F.Fab "Author: Antmicro" at 135.8,47.783 h0.7; F.Fab "License: Apache-2.0" at 135.8,46.667 h0.7
R235: F.Fab "Author: Antmicro" at 130.165,54.983 h0.7; F.Fab "License: Apache-2.0" at 128.335,55.867 h0.7
R236: B.Fab "License: Apache-2.0" at 55.74,88.836 h0.7; B.Fab "Author: Antmicro" at 55.74,87.952 h0.7
R237: F.Fab "Author: Antmicro" at 64.81,65.964 h0.7; F.Fab "License: Apache-2.0" at 64.81,64.848 h0.7
R238: F.Fab "License: Apache-2.0" at 86.032,76.68 h0.7 r90; F.Fab "Author: Antmicro" at 84.916,76.68 h0.7 r90
R239: F.Fab "Author: Antmicro" at 64.81,66.964 h0.7; F.Fab "License: Apache-2.0" at 64.81,65.848 h0.7
R240: F.Fab "Author: Antmicro" at 77.578,68.535 h0.7 r90; F.Fab "License: Apache-2.0" at 76.694,66.705 h0.7 r90
R241: F.Fab "License: Apache-2.0" at 34.613,61.109 h0.7 r270; F.Fab "Author: Antmicro" at 35.729,61.109 h0.7 r270
R242: F.Fab "Author: Antmicro" at 94.364,51.45 h0.7 r270; F.Fab "License: Apache-2.0" at 93.248,51.45 h0.7 r270
R243: B.Fab "License: Apache-2.0" at 38.4,100.467 h0.7; B.Fab "Author: Antmicro" at 38.4,99.583 h0.7
R244: B.Fab "License: Apache-2.0" at 67.972,67.64 h0.7 r90; B.Fab "Author: Antmicro" at 66.856,67.64 h0.7 r90
R245: B.Fab "Author: Antmicro" at 113.2,55.214 h0.7; B.Fab "License: Apache-2.0" at 113.2,54.098 h0.7
R246: B.Fab "License: Apache-2.0" at 66.962,67.64 h0.7 r90; B.Fab "Author: Antmicro" at 65.846,67.64 h0.7 r90
R247: F.Fab "License: Apache-2.0" at 138.3,54.367 h0.7; F.Fab "Author: Antmicro" at 138.3,53.483 h0.7
R248: F.Fab "Author: Antmicro" at 142.45,40.283 h0.7; F.Fab "License: Apache-2.0" at 142.45,39.167 h0.7
R249: B.Fab "Author: Antmicro" at 58.24,93.752 h0.7; B.Fab "License: Apache-2.0" at 58.24,94.636 h0.7
R250: F.Fab "License: Apache-2.0" at 50.298,56.85 h0.7 r270; F.Fab "Author: Antmicro" at 51.414,56.85 h0.7 r270
R251: B.Fab "License: Apache-2.0" at 47.34,85.723 h0.7; B.Fab "Author: Antmicro" at 47.34,86.839 h0.7
R252: B.Fab "Author: Antmicro" at 69.067,56.2 h0.7 r90; B.Fab "License: Apache-2.0" at 70.183,56.2 h0.7 r90
R253: B.Fab "Author: Antmicro" at 72.7,48.183 h0.7; B.Fab "License: Apache-2.0" at 72.7,47.067 h0.7
R254: F.Fab "Author: Antmicro" at 56.7,53.214 h0.7; F.Fab "License: Apache-2.0" at 56.7,52.098 h0.7
R255: B.Fab "License: Apache-2.0" at 47.34,84.723 h0.7; B.Fab "Author: Antmicro" at 47.34,85.839 h0.7
R256: B.Fab "Author: Antmicro" at 57.8,88.702 h0.7; B.Fab "License: Apache-2.0" at 57.8,89.586 h0.7
R257: B.Fab "License: Apache-2.0" at 65.465,93.336 h0.7; B.Fab "Author: Antmicro" at 63.635,92.452 h0.7
R258: B.Fab "License: Apache-2.0" at 60.7,90.586 h0.7; B.Fab "Author: Antmicro" at 60.7,89.702 h0.7
R259: B.Fab "License: Apache-2.0" at 66.6,96.636 h0.7; B.Fab "Author: Antmicro" at 66.6,95.752 h0.7
R260: B.Fab "License: Apache-2.0" at 66.1,81.698 h0.7; B.Fab "Author: Antmicro" at 66.1,82.814 h0.7
R261: B.Fab "Author: Antmicro" at 67.614,88.5 h0.7 r270; B.Fab "License: Apache-2.0" at 66.498,88.5 h0.7 r270
R262: B.Fab "License: Apache-2.0" at 60.49,62.048 h0.7; B.Fab "Author: Antmicro" at 60.49,63.164 h0.7
R263: F.Fab "Author: Antmicro" at 73.356,66.4 h0.7 r90; F.Fab "License: Apache-2.0" at 74.472,66.4 h0.7 r90
R264: F.Fab "Author: Antmicro" at 74.518,71.785 h0.7 r90; F.Fab "License: Apache-2.0" at 73.634,69.955 h0.7 r90
R265: B.Fab "License: Apache-2.0" at 108.7,64.136 h0.7; B.Fab "Author: Antmicro" at 108.7,63.252 h0.7
R266: B.Fab "Author: Antmicro" at 107.8,64.252 h0.7; B.Fab "License: Apache-2.0" at 107.8,65.136 h0.7
R267: B.Fab "Author: Antmicro" at 50.78,43.364 h0.7; B.Fab "License: Apache-2.0" at 50.78,42.248 h0.7
R268: B.Fab "License: Apache-2.0" at 54.114,87.395 h0.7 r90; B.Fab "Author: Antmicro" at 54.998,85.565 h0.7 r90
R269: F.Fab "License: Apache-2.0" at 65.11,59.208 h0.7; F.Fab "Author: Antmicro" at 65.11,60.324 h0.7
R270: B.Fab "Author: Antmicro" at 48.35,39.664 h0.7; B.Fab "License: Apache-2.0" at 48.35,38.548 h0.7
R271: B.Fab "Author: Antmicro" at 52.485,48.727 h0.7; B.Fab "License: Apache-2.0" at 54.315,49.611 h0.7
R272: F.Fab "Author: Antmicro" at 56.41,67.544 h0.7; F.Fab "License: Apache-2.0" at 56.41,66.428 h0.7
R273: B.Fab "License: Apache-2.0" at 72,79.067 h0.7; B.Fab "Author: Antmicro" at 72,80.183 h0.7
R274: B.Fab "License: Apache-2.0" at 59.032,87.19 h0.7 r90; B.Fab "Author: Antmicro" at 57.916,87.19 h0.7 r90
R275: B.Fab "Author: Antmicro" at 50.648,93.745 h0.7 r90; B.Fab "License: Apache-2.0" at 49.764,95.575 h0.7 r90
R276: B.Fab "License: Apache-2.0" at 61.4,87.567 h0.7; B.Fab "Author: Antmicro" at 61.4,86.683 h0.7
R277: F.Fab "Author: Antmicro" at 85.264,77.4 h0.7 r270; F.Fab "License: Apache-2.0" at 84.148,77.4 h0.7 r270
R278: F.Fab "License: Apache-2.0" at 83.148,77.4 h0.7 r270; F.Fab "Author: Antmicro" at 84.264,77.4 h0.7 r270
R279: B.Fab "License: Apache-2.0" at 95.702,49.7 h0.7 r90; B.Fab "Author: Antmicro" at 94.586,49.7 h0.7 r90
R280: B.Fab "License: Apache-2.0" at 97.102,49.7 h0.7 r90; B.Fab "Author: Antmicro" at 95.986,49.7 h0.7 r90
R281: B.Fab "License: Apache-2.0" at 84.098,46.2 h0.7 r270; B.Fab "Author: Antmicro" at 85.214,46.2 h0.7 r270
R282: B.Fab "Author: Antmicro" at 86.614,46.2 h0.7 r270; B.Fab "License: Apache-2.0" at 85.498,46.2 h0.7 r270
R293: F.Fab "Author: Antmicro" at 82.364,51.9 h0.7 r270; F.Fab "License: Apache-2.0" at 81.248,51.9 h0.7 r270
R294: B.Fab "License: Apache-2.0" at 132.4,88.298 h0.7; B.Fab "Author: Antmicro" at 132.4,89.414 h0.7
R335: F.Fab "License: Apache-2.0" at 148.8,59.036 h0.7; F.Fab "Author: Antmicro" at 148.8,58.152 h0.7
R336: F.Fab "License: Apache-2.0" at 148.8,58.036 h0.7; F.Fab "Author: Antmicro" at 148.8,57.152 h0.7
REF**: F.Fab "License: Apache-2.0" at 135.583,31.648 h0.7; F.Fab "Author: Antmicro" at 135.583,32.964 h0.7
REF**: F.Fab "License: Apache-2.0" at 135.588,31.648 h0.7; F.Fab "Author: Antmicro" at 135.588,32.964 h0.7
REF**: F.Fab "License: Apache-2.0" at 129.698,74.269 h0.7; F.Fab "Author: Antmicro" at 129.698,75.585 h0.7
REF**: B.Fab "License: Apache-2.0" at 128.751,40.098 h0.7; B.Fab "Author: Antmicro" at 128.751,41.414 h0.7
S1: F.Fab "License: Apache-2.0" at 100.85,31.717 h0.7; F.Fab "Author: Antmicro" at 100.85,33.083 h0.7
S2: F.Fab "Author: Antmicro" at 125.75,44.083 h0.7; F.Fab "License: Apache-2.0" at 125.75,45.217 h0.7
S3: F.Fab "Author: Antmicro" at 131.75,44.083 h0.7; F.Fab "License: Apache-2.0" at 131.75,45.217 h0.7
S4: F.Fab "Author: Antmicro" at 61.05,33.083 h0.7; F.Fab "License: Apache-2.0" at 61.05,31.717 h0.7
S5: F.Fab "License: Apache-2.0" at 80.75,31.717 h0.7; F.Fab "Author: Antmicro" at 80.75,33.083 h0.7
SP7: F.Fab "Author: Antmicro" at 76.35,62.583 h0.7; F.Fab "License: Apache-2.0" at 76.35,60.967 h0.7
SP8: B.Fab "Author: Antmicro" at 50.2,70.033 h0.7; B.Fab "License: Apache-2.0" at 50.2,68.717 h0.7
SW1: B.Fab "Author: Antmicro" at 53.088,100.827 h0.7; B.Fab "License: Apache-2.0" at 53.088,101.91 h0.7
TP1: B.Fab "Author: Antmicro" at 68.415,43.512 h0.7; B.Fab "License: Apache-2.0" at 68.415,42.196 h0.7
TP2: B.Fab "Author: Antmicro" at 62.655,97.084 h0.7; B.Fab "License: Apache-2.0" at 62.655,98.168 h0.7
TP3: B.Fab "Author: Antmicro" at 77.14,92.989 h0.7; B.Fab "License: Apache-2.0" at 77.14,94.073 h0.7
TP4: F.Fab "Author: Antmicro" at 95.8,86.184 h0.7; F.Fab "License: Apache-2.0" at 95.8,87.268 h0.7
TP5: F.Fab "License: Apache-2.0" at 97.2,86.368 h0.7; F.Fab "Author: Antmicro" at 97.2,85.284 h0.7
TP6: F.Fab "License: Apache-2.0" at 128.155,54.233 h0.7; F.Fab "Author: Antmicro" at 128.155,53.149 h0.7
TP7: F.Fab "License: Apache-2.0" at 128.155,55.243 h0.7; F.Fab "Author: Antmicro" at 128.155,54.159 h0.7
TP8: F.Fab "License: Apache-2.0" at 128.155,56.248 h0.7; F.Fab "Author: Antmicro" at 128.155,55.164 h0.7
TP9: F.Fab "License: Apache-2.0" at 128.155,57.258 h0.7; F.Fab "Author: Antmicro" at 128.155,56.174 h0.7
TP10: B.Fab "Author: Antmicro" at 137.97,81.665 h0.7; B.Fab "License: Apache-2.0" at 139.8,82.749 h0.7
TP11: B.Fab "License: Apache-2.0" at 139.8,81.698 h0.7; B.Fab "Author: Antmicro" at 137.97,80.614 h0.7
TP12: B.Fab "Author: Antmicro" at 137.97,79.514 h0.7; B.Fab "License: Apache-2.0" at 139.8,80.598 h0.7
TP13: B.Fab "License: Apache-2.0" at 63.24,72.468 h0.7; B.Fab "Author: Antmicro" at 63.24,71.384 h0.7
TP14: B.Fab "Author: Antmicro" at 68.415,40.512 h0.7; B.Fab "License: Apache-2.0" at 68.415,39.196 h0.7
TP17: B.Fab "License: Apache-2.0" at 68.415,43.696 h0.7; B.Fab "Author: Antmicro" at 68.415,45.012 h0.7
TP18: B.Fab "License: Apache-2.0" at 69.45,73.068 h0.7; B.Fab "Author: Antmicro" at 69.45,71.984 h0.7
TP19: B.Fab "Author: Antmicro" at 67.45,72.484 h0.7; B.Fab "License: Apache-2.0" at 67.45,73.568 h0.7
TP20: B.Fab "Author: Antmicro" at 68.45,72.084 h0.7; B.Fab "License: Apache-2.0" at 68.45,73.168 h0.7
TP21: F.Fab "License: Apache-2.0" at 103.2,82.543 h0.7; F.Fab "Author: Antmicro" at 103.2,81.459 h0.7
TP22: B.Fab "Author: Antmicro" at 86.75,58.282 h0.7; B.Fab "License: Apache-2.0" at 86.75,56.965 h0.7
TP23: B.Fab "Author: Antmicro" at 68.415,33.012 h0.7; B.Fab "License: Apache-2.0" at 68.415,31.696 h0.7
TP24: B.Fab "Author: Antmicro" at 62.51,57.933 h0.7 r45; B.Fab "License: Apache-2.0" at 63.441,57.002 h0.7 r45
TP25: B.Fab "Author: Antmicro" at 63.3,58.653 h0.7 r45; B.Fab "License: Apache-2.0" at 64.231,57.722 h0.7 r45
TP26: B.Fab "Author: Antmicro" at 62.99,59.643 h0.7 r45; B.Fab "License: Apache-2.0" at 63.921,58.712 h0.7 r45
TP27: F.Fab "License: Apache-2.0" at 64.725,46.983 h0.7; F.Fab "Author: Antmicro" at 64.725,45.899 h0.7
TP28: F.Fab "Author: Antmicro" at 64.93,38.097 h0.7; F.Fab "License: Apache-2.0" at 64.93,36.781 h0.7
TP29: B.Fab "License: Apache-2.0" at 68.415,40.696 h0.7; B.Fab "Author: Antmicro" at 68.415,42.012 h0.7
TP30: B.Fab "License: Apache-2.0" at 79.875,44.436 h0.7; B.Fab "Author: Antmicro" at 79.875,45.752 h0.7
TP31: B.Fab "Author: Antmicro" at 115.95,52.949 h0.7; B.Fab "License: Apache-2.0" at 117.78,54.033 h0.7
TP32: B.Fab "Author: Antmicro" at 111.35,64.284 h0.7; B.Fab "License: Apache-2.0" at 111.35,65.368 h0.7
TP33: B.Fab "License: Apache-2.0" at 63.455,89.096 h0.7; B.Fab "Author: Antmicro" at 63.455,90.412 h0.7
TP35: F.Fab "Author: Antmicro" at 103.55,78.332 h0.7; F.Fab "License: Apache-2.0" at 103.55,77.016 h0.7
TP36: B.Fab "Author: Antmicro" at 107.718,63.7 h0.7 r90; B.Fab "License: Apache-2.0" at 109.035,63.7 h0.7 r90
TP37: B.Fab "Author: Antmicro" at 107.693,62.7 h0.7 r90; B.Fab "License: Apache-2.0" at 109.009,62.7 h0.7 r90
TP38: B.Fab "Author: Antmicro" at 107.593,61.7 h0.7 r90; B.Fab "License: Apache-2.0" at 108.909,61.7 h0.7 r90
TP39: B.Fab "Author: Antmicro" at 102.4,57.032 h0.7; B.Fab "License: Apache-2.0" at 102.4,55.715 h0.7
TP40: B.Fab "License: Apache-2.0" at 101.4,55.715 h0.7; B.Fab "Author: Antmicro" at 101.4,57.032 h0.7
TP41: B.Fab "Author: Antmicro" at 100.4,57.032 h0.7; B.Fab "License: Apache-2.0" at 100.4,55.715 h0.7
TP42: B.Fab "Author: Antmicro" at 99.4,57.032 h0.7; B.Fab "License: Apache-2.0" at 99.4,55.715 h0.7
TP43: B.Fab "Author: Antmicro" at 98.4,57.032 h0.7; B.Fab "License: Apache-2.0" at 98.4,55.715 h0.7
TP44: B.Fab "License: Apache-2.0" at 75.53,83.871 h0.7; B.Fab "Author: Antmicro" at 75.53,85.187 h0.7
TP52: B.Fab "License: Apache-2.0" at 67.615,44.898 h0.7; B.Fab "Author: Antmicro" at 67.615,43.814 h0.7
TP53: B.Fab "License: Apache-2.0" at 68.415,37.696 h0.7; B.Fab "Author: Antmicro" at 68.415,39.012 h0.7
TP54: B.Fab "Author: Antmicro" at 68.415,37.512 h0.7; B.Fab "License: Apache-2.0" at 68.415,36.196 h0.7
TP55: B.Fab "License: Apache-2.0" at 77.88,43.398 h0.7; B.Fab "Author: Antmicro" at 76.05,42.314 h0.7
TP56: B.Fab "Author: Antmicro" at 94.167,50.85 h0.7 r90; B.Fab "License: Apache-2.0" at 95.483,50.85 h0.7 r90
TP57: B.Fab "Author: Antmicro" at 87.361,58.485 h0.7 r90; B.Fab "License: Apache-2.0" at 86.277,60.315 h0.7 r90
TP58: F.Fab "License: Apache-2.0" at 97.834,45.85 h0.7 r90; F.Fab "Author: Antmicro" at 96.518,45.85 h0.7 r90
U1: F.Fab "Author: Antmicro" at 55.187,62.18 h0.7 r90; F.Fab "License:" at 57.587,66.066 h0.7 r90; F.Fab "License: Apache-2.0" at 56.437,70.415 h0.7 r270
U2: B.Fab "License: Apache-2.0" at 110.97,66.148 h0.7; B.Fab "Author: Antmicro" at 110.97,67.464 h0.7
U3: B.Fab "License: Apache-2.0" at 110.97,70.148 h0.7; B.Fab "Author: Antmicro" at 110.97,71.464 h0.7
U4: B.Fab "Author: Antmicro" at 59.178,84.633 h0.7 r270; B.Fab "License: Apache-2.0" at 57.861,84.633 h0.7 r270
U5: B.Fab "Author: Antmicro" at 55.6,44.434 h0.7; B.Fab "License: Apache-2.0" at 55.6,43.118 h0.7
U6: B.Fab "Author: Antmicro" at 57.704,57.649 h0.7 r270; B.Fab "License: Apache-2.0" at 56.588,57.649 h0.7 r270
U7: F.Fab "License: Apache-2.0" at 74.288,51.65 h0.7 r270; F.Fab "Author: Antmicro" at 75.404,51.65 h0.7 r270
U8: B.Fab "License: Apache-2.0" at 54.208,41.915 h0.7 r90; B.Fab "Author: Antmicro" at 52.892,41.915 h0.7 r90
U9: F.Fab "Author: Antmicro" at 68.517,52.87 h0.7 r90; F.Fab "License: Apache-2.0" at 69.832,52.87 h0.7 r90
U10: F.Fab "Author: Antmicro" at 77.701,62.715 h0.7; F.Fab "License: Apache-2.0" at 77.701,63.598 h0.7
U11: B.Fab "License: Apache-2.0" at 45.867,45.348 h0.7 r270; B.Fab "Author: Antmicro" at 47.183,45.348 h0.7 r270
U12: F.Fab "License: Apache-2.0" at 62.204,41.315 h0.7 r90; F.Fab "Author: Antmicro" at 63.287,43.145 h0.7 r90
U13: F.Fab "License: Apache-2.0" at 77.533,52.681 h0.7 r90; F.Fab "Author: Antmicro" at 76.217,52.681 h0.7 r90
U14: F.Fab "Author: Antmicro" at 84.217,48.548 h0.7 r90; F.Fab "License: Apache-2.0" at 85.533,48.548 h0.7 r90
U15: F.Fab "License: Apache-2.0" at 79.533,48.548 h0.7 r90; F.Fab "Author: Antmicro" at 78.217,48.548 h0.7 r90
U16: F.Fab "Author: Antmicro" at 81.217,48.548 h0.7 r90; F.Fab "License: Apache-2.0" at 82.533,48.548 h0.7 r90
U17: F.Fab "License: Apache-2.0" at 107.14,50.623 h0.7; F.Fab "Author: Antmicro" at 107.14,51.938 h0.7
U18: F.Fab "License: Apache-2.0" at 109.182,43.67 h0.7 r90; F.Fab "Author: Antmicro" at 107.867,43.67 h0.7 r90
U19: F.Fab "License: Apache-2.0" at 124.083,47.869 h0.7 r90; F.Fab "Author: Antmicro" at 122.767,47.869 h0.7 r90
U20: F.Fab "Author: Antmicro" at 116.767,47.869 h0.7 r90; F.Fab "License: Apache-2.0" at 118.083,47.869 h0.7 r90
U21: F.Fab "License: Apache-2.0" at 121.083,47.869 h0.7 r90; F.Fab "Author: Antmicro" at 119.767,47.869 h0.7 r90
U22: B.Fab "Author: Antmicro" at 43.799,75.212 h0.7 r270; B.Fab "License: Apache-2.0" at 42.683,75.212 h0.7 r270
U23: F.Fab "License: Apache-2.0" at 59.131,61.819 h0.7 r90; F.Fab "Author: Antmicro" at 56.615,61.819 h0.7 r90
U24: B.Fab "License: Apache-2.0" at 144.362,52.83 h0.7 r90; B.Fab "Author: Antmicro" at 143.047,52.83 h0.7 r90
U25: B.Fab "License: Apache-2.0" at 140.782,52.83 h0.7 r90; B.Fab "Author: Antmicro" at 139.467,52.83 h0.7 r90
U26: B.Fab "License: Apache-2.0" at 107.913,66.896 h0.7 r90; B.Fab "Author: Antmicro" at 106.596,66.896 h0.7 r90
U27: B.Fab "License: Apache-2.0" at 104.352,85.03 h0.7 r90; B.Fab "Author: Antmicro" at 103.037,85.03 h0.7 r90
U28: B.Fab "License: Apache-2.0" at 100.632,85 h0.7 r90; B.Fab "Author: Antmicro" at 99.317,85 h0.7 r90
U29: F.Fab "License: Apache-2.0" at 49.466,82.167 h0.7; F.Fab "Author: Antmicro" at 51.296,81.083 h0.7
U30: F.Fab "License: Apache-2.0" at 130.748,48.817 h0.7; F.Fab "Author: Antmicro" at 130.748,50.133 h0.7